# Altium PCB mb1260.PcbDoc (part 1 of 7) (continued)
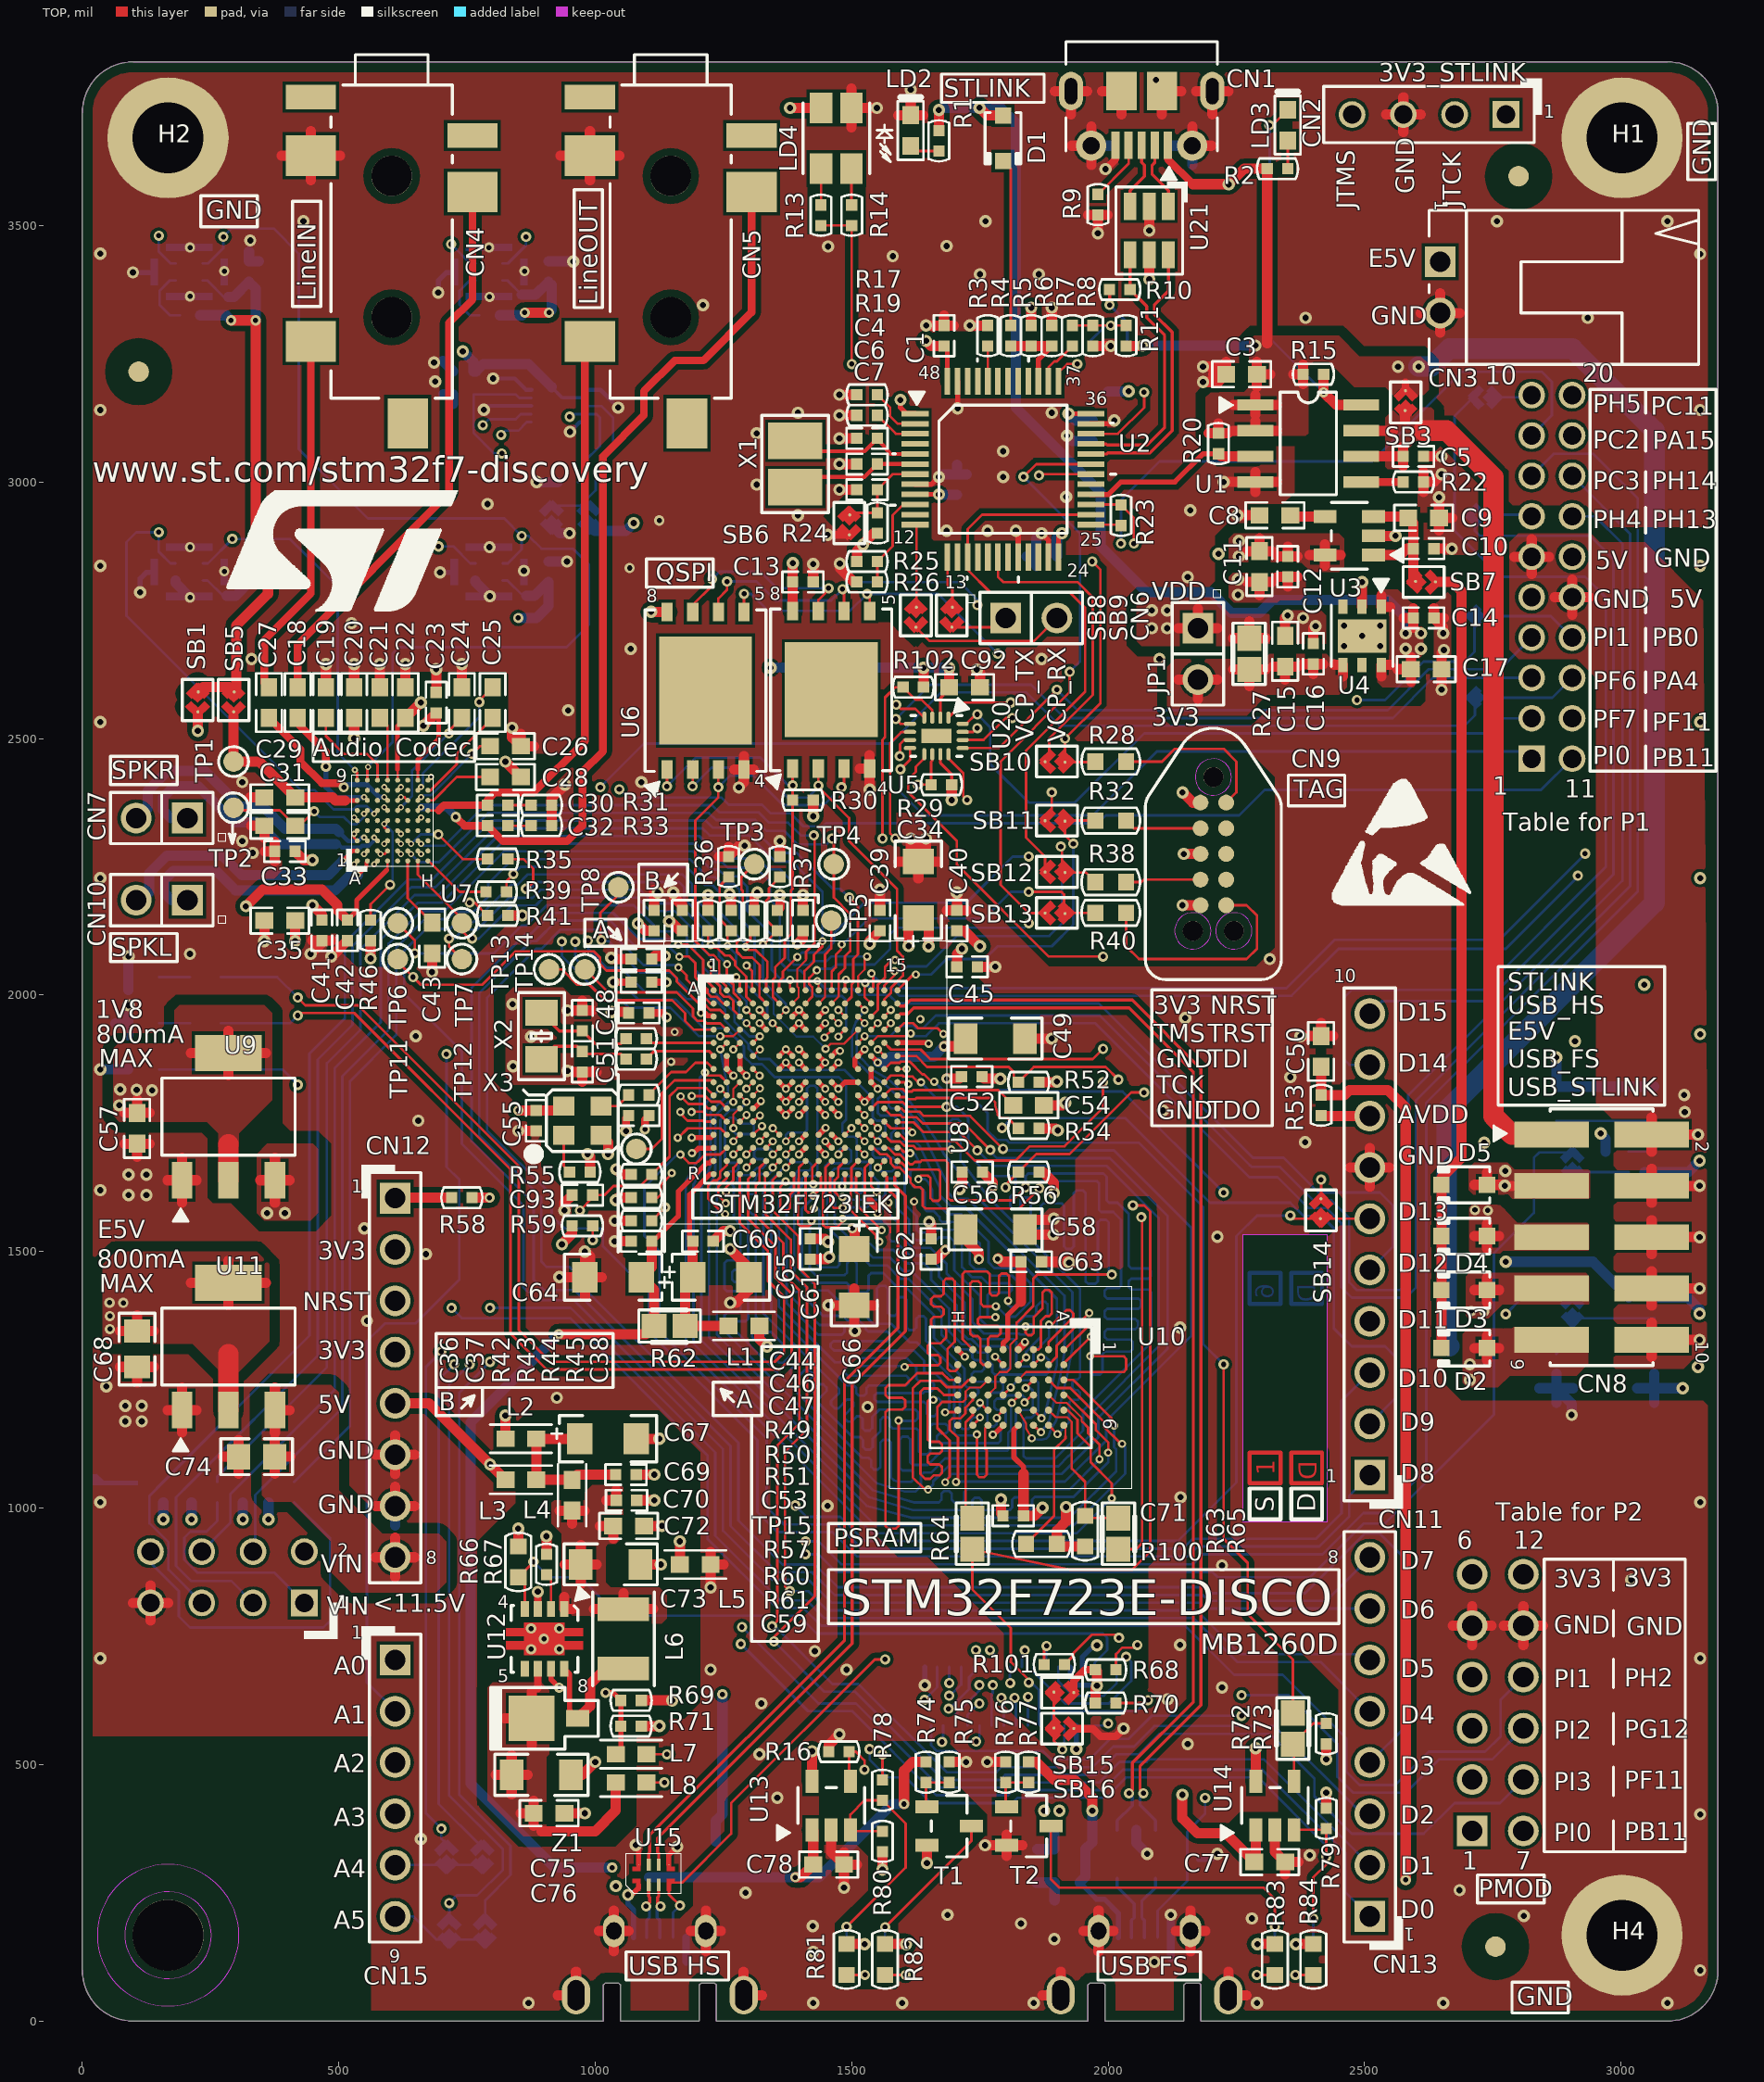
[diagram p0: TOP view]
## Classes and differential pairs
differential pair class 100ohms: SPKOUTL SPKOUTR
differential pair class 90ohms: USB_OTGFS USB_OTGFS_CN USB_OTGHS USB_OTGHS_CN USB_STLK USB_STLK_CN
net class QSPI_BK: NETR72_2
net class PSRAM_CRL: LCD_PSRAM_NOE LCD_PSRAM_NWE NETR63_1 PSRAM_NBL0 PSRAM_NBL1
net class PSRAM_ADD: PSRAM_A0 PSRAM_A1 PSRAM_A2 PSRAM_A3 PSRAM_A4 PSRAM_A5 PSRAM_A6 PSRAM_A7 PSRAM_A8 PSRAM_A9 PSRAM_A10 PSRAM_A11 PSRAM_A12 PSRAM_A13 PSRAM_A14 PSRAM_A15 PSRAM_A16 PSRAM_A17
net class LCD_PSRAM_DATA: LCD_PSRAM_D0 LCD_PSRAM_D1 LCD_PSRAM_D2 LCD_PSRAM_D3 LCD_PSRAM_D4 LCD_PSRAM_D5 LCD_PSRAM_D6 LCD_PSRAM_D7 LCD_PSRAM_D8 LCD_PSRAM_D9 LCD_PSRAM_D10 LCD_PSRAM_D11 LCD_PSRAM_D12 LCD_PSRAM_D13 LCD_PSRAM_D14 LCD_PSRAM_D15
net class DATA: NETR10_1 NETR19_2 NETR35_2 NETR39_2
component class "U_Arduino_ Connectors": C50 CN11 CN12 CN13 CN15 LD1 R12 R53 R58 SB14 SB35 SB36 SB37 SB38
component class U_AUDIO: C18 C19 C20 C21 C22 C23 C24 C25 C26 C27 C28 C29 C30 C31 C32 C33 C35 C41 C42 C43 C79 C80 C84 C85 CN4 CN5 CN7 CN10 R31 R33 R35 R39 R41 R46 R85 R86 SB1 SB5 TP1 TP2 U7 U16 U17 U18 U19
component class U_HW_Mechanical_Parts: H1 H2 H4 HW1 HW2 HW3 HW4 HW5 HW6 HW7 HW8 HW9 HW10 HW11
component class U_LCD_FRIDA: C2 C67 C69 C70 C72 C73 C75 C76 CN16 CN17 L2 L3 L4 L5 L6 L7 L8 R18 R21 R66 R67 R68 R69 R70 R71 SB2 SB4 SB15 SB16 U12 Z1 ZZ1
component class U_Peripherals: B1 B2 C86 C87 C92 CN14 LD5 LD6 P1 P2 R29 R47 R48 R89 R90 R91 R92 R93 R94 R95 R96 R97 R102 SB25 SB27 SB28 SB29 SB33 SB34 U20
component class U_PSRAM: C63 C71 R63 R64 R65 R100 U10
component class U_QSPI: C13 R30 U5 U6
component class U_ST_LINK_V2-1: C1 C3 C4 C5 C6 C7 C8 C9 C10 C11 C12 C14 C15 C16 C17 C57 C68 C74 C81 C82 C83 CN1 CN2 CN3 CN6 CN8 CN9 D1 D2 D3 D4 D5 HW12 LD2 LD3 LD4 R1 R2 R3 R4 R5 R6 R7 R8 R9 R10 R11 R13 R14 R15 R17 R19 R20 R22 R23 R24 R25 R26 R28 R32 R38 R40 SB3 SB6 SB7 SB8 SB9 SB10 SB11 SB12 SB13 T3 U1 U2 U3 U4 U9 U11 U21 X1
component class U_STM32F7: C34 C36 C37 C38 C39 C40 C44 C45 C46 C47 C48 C49 C51 C52 C53 C54 C55 C56 C58 C59 C60 C61 C62 C64 C65 C66 C93 JP1 L1 R27 R36 R37 R42 R43 R44 R45 R49 R50 R51 R52 R54 R55 R56 R57 R59 R60 R61 R62 R101 TP3 TP4 TP5 TP6 TP7 TP8 TP11 TP12 TP13 TP14 TP15 U8 X2 X3
component class U_USB_OTG_FS: C77 CN18 LD9 LD10 R72 R73 R76 R77 R79 R83 R84 R99 T2 U14 U22 U23 U24
component class U_USB_OTG_HS: C78 CN19 LD7 LD8 R16 R74 R75 R78 R80 R81 R82 R98 T1 U13 U15
differential pair USB_STLK_CN: +USB_STLK_CN_P -USB_STLK_CN_N
differential pair USB_OTGHS_CN: +USB_OTGHS_CN_P -USB_OTGHS_CN_N
differential pair USB_OTGHS: +USB_OTGHS_P -USB_OTGHS_N
differential pair USB_OTGFS_CN: +USB_OTGFS_CN_P -USB_OTGFS_CN_N
differential pair USB_OTGFS: +USB_OTGFS_P -USB_OTGFS_N
differential pair SPKOUTL: +NETCN10_1 -NETCN10_2
differential pair SPKOUTR: +NETCN7_1 -NETCN7_2
differential pair USB_STLK: +USB_STLK_P -USB_STLK_N

## Components (designator, comment, footprint, x,y, rotation, side; value= is the part's Value field where it differs from the comment)
B1 "SW-PUSH-CMS_EVQP2_BLUE" TACT_4SM_3R5X5R5 2969,1788 r270 bottom
B2 "SW-PUSH-CMS_EVQP2_BLACK" TACT_4SM_3R5X5R5 2969,1267 r270 bottom
C1 "100nF" 0402C 1680,3285 r90 top
C2 "100nF" 0402C 742.84,3215.76 r180 bottom
C3 "1uF" 0603C 2260,3210 r0 top
C4 "10pF" 0402C 1530,3085 r0 top
C5 "100nF" 0402C 2595,3050 r180 top
C6 "10pF" 0402C 1530,3035 r0 top
C7 "100nF" 0402C 1530,2985 r0 top
C8 "10nF_X7R_10%_0603" 0603C 2325,2935 r0 top
C9 "1uF" 0603C 2615,2930 r180 top
C10 "100nF" 0402C 2615,2870 r180 top
C11 "1uF" 0603C 2295,2835 r90 top
C12 "100nF" 0402C 2350,2835 r90 top
C13 "100nF" 0402C 1405,2805 r180 top
C14 "100nF" 0402C 2615,2735 r180 top
C15 "1uF" 0603C 2345,2670 r270 top
C16 "100nF" 0402C 2400,2665 r270 top
C17 "1uF" 0603C 2620,2635 r180 top
C18 "1uF" 0603C 420,2570 r90 top
C19 "4.7uF" 0603C 475,2570 r270 top
C20 "4.7uF" 0603C 530,2570 r90 top
C21 "4.7uF" 0603C 580,2570 r90 top
C22 "4.7uF" 0603C 630,2570 r90 top
C23 "100nF" 0402C 690,2570 r90 top
C24 "1uF" 0603C 740,2570 r90 top
C25 "2.2uF_X5R_10%_0603" 0603C 800,2570 r90 top
C26 "2.2uF_X5R_10%_0603" 0603C 825,2485 r0 top
C27 "1uF" 0603C 364,2570 r90 top
C28 "2.2uF_X5R_10%_0603" 0603C 825,2425 r0 top
C29 "4.7uF" 0603C 385,2385 r0 top
C30 "100nF" 0402C 810,2370 r0 top
C31 "4.7uF" 0603C 385,2330 r0 top
C32 "100nF" 0402C 810,2330 r0 top
C33 "100nF" 0402C 395,2280 r180 top
C34 "4.7uF" TAN-A 1630,2205 r270 top
C35 "1uF" 0603C 385,2145 r0 top
C36 "100nF" 0402C 1115,2145 r270 top
C37 "100nF" 0402C 1170,2145 r270 top
C38 "100nF" 0402C 1405,2145 r270 top
C39 "100nF" 0402C 1555,2145 r270 top
C40 "100nF" 0402C 1705,2145 r270 top
C41 "100nF" 0402C 467,2126 r270 top
C42 "100nF" 0402C 517,2126 r270 top
C43 "1uF" 0603C 682,2111 r90 top
C44 "100nF" 0402C 1090,2070 r0 top
C45 "100nF" 0402C 1725,2055 r180 top
C46 "100nF" 0402C 1090,2025 r0 top
C47 "100nF" 0402C 1085,1965 r0 top
C48 "4.7pF_NPO_-+0.25pF_0402" 0402C 975,1950 r270 top
C49 "2.2uF" 1206C 1780,1915 r180 top
C50 "1uF" 0603C 2415,1890 r270 top
C51 "4.7pF_NPO_-+0.25pF_0402" 0402C 975,1870 r90 top
C52 "100nF" 0402C 1734,1841 r180 top
C53 "100nF" 0402C 1085,1765 r0 top
C54 "2.2uF_X5R_10%_0603" 0603C 1845,1785 r0 top
C55 "100nF" 0402C 885,1755 r90 top
C56 "100nF" 0402C 1735,1655 r180 top
C57 "10uF" 0603C 106.8,1740 r90 top
C58 "2.2uF" 1206C 1780,1543 r180 top
C59 "100nF" 0402C 1090,1520 r0 top
C60 "100nF" 0402C 1210,1520 r180 top
C61 "100nF" 0402C 1419,1505 r90 top
C62 "100nF" 0402C 1655,1505 r90 top
C63 "100nF" 0402C 1850,1480 r180 top
C64 "1uF" TAN-A 1035,1450 r0 top
C65 "1uF" TAN-A 1245,1450 r180 top
C66 "4.7uF" TAN-A 1505,1450 r90 top
C67 "10uF_POL_10%_TANA" TAN-A 1025,1135 r180 top
C68 "10uF" 0805C 106.8,1310 r90 top
C69 "100nF" 0402C 1060,1065 r180 top
C70 "100nF" 0402C 1061,1015 r180 top
C71 "100nF" 0402C 1815,985 r0 top
C72 "10nF_X7R_10%_0603" 0603C 1065,965 r180 top
C73 "4.7uF_X7R_10%_1206" 1206C 1030,890 r180 top
C74 "10uF" 0805C 340,1100 r0 top
C75 "4.7uF_X7R_10%_1206" 1206C 895,480 r180 top
C76 "10nF_X7R_10%_0603" 0603C 910,405 r180 top
C77 "4.7uF" 0603C 2315,310 r0 top
C78 "4.7uF" 0603C 1455,305 r0 top
C79 "100nF" 0402C 908.74,3410 r90 bottom
C80 "100nF" 0402C 325,3410 r90 bottom
C81 "100nF" 0402C 1970,3100 r90 bottom
C82 "100nF" 0402C 1705,2995 r270 bottom
C83 "100nF" 0402C 1880,2855 r0 bottom
C84 "100nF" 0402C 908.74,2825 r90 bottom
C85 "100nF" 0402C 325,2825 r90 bottom
C86 "100nF" 0402C 2970,1675 r270 bottom
C87 "100nF" 0402C 3065,1390 r270 bottom
C92 "1uF" 0603C 1720,2600 r0 top
C93 "100nF" 0402C 975,1610 r0 top
CN1 "1050170001" MICRO_USB_B_105017 2065.35,3659.44 r180 top
CN2 "Header 4" HDR_1X4_2R54 2775.41,3716.23 r180 top
CN3 "WF25402-06421" HDR_1X2_2R54_RA_11R35 2647.2,3429.41 r90 top locked
CN4 "PJ3028B-3_BE_3PINS" PJ3028B 603.15,3596.61 r270 top
CN5 "PJ3028B-3_GR_3PINS" PJ3028B 1147.16,3596.61 r270 top
CN6 "JP2" SIP2 1800,2735 r0 top
CN7 "JP2" SIP2 205,2345 r180 top
CN8 "Header M Straight 5x2H TSM" TSM-105-01-S-DV 2962,1528 r270 top
CN9 "TC2050-IDC-NL" TC2050-IDC-NL 2205,2275 r270 top
CN10 "JP2" SIP2 205,2185 r180 top
CN11 "BL 1-10 G" HDR_1X10_2R54_W 2509.84,1063.94 r90 top
CN12 "BL 1-8 G" HDR_1X8_2R54_W 609.84,1603.94 r270 top
CN13 "BL 1-8 G" HDR_1X8_2R54_W 2509.84,203.94 r90 top locked
CN14 "Header F Straight 4x2H" HDR_2X4_2R54 432.99,815 r0 bottom
CN15 "BL 1-6 G" HDR_1X6_2R54_W 609.84,703.94 r270 top
CN16 "DF37NB-10DS-0.4V(51)" DF37NB-10DS-0R4V 927.74,3148.16 r270 bottom
CN17 "FH26W-29S-0.3SHW(60)" FH26-29S-0R3SHW 1808.15,633 r180 bottom
CN18 "475900001" MOLEX_47590001 2070.87,162.8 r0 bottom
CN19 "475900001" MOLEX_47590001 1125.98,162.8 r0 bottom
D1 "BAT60JFILM" SOD-323 1795,3670 r90 top
D2 "BAT60JFILM" SOD-323 2694,1312 r0 top
D3 "BAT60JFILM" SOD-323 2694,1425 r0 top
D4 "BAT60JFILM" SOD-323 2694,1530 r0 top
D5 "BAT60JFILM" SOD-323 2694,1630 r0 top
H1 "POSITION HOLE C6D3R5" HOLE_C6D3R5 3001.99,3670.59 r0 top
H2 "POSITION HOLE C6D3R5" HOLE_C6D3R5 167.34,3670.59 r0 top
H4 "POSITION HOLE C6D3R5" HOLE_C6D3R5 3001.99,167.33 r0 top
JP1 "JP2" SIP2 2175,2715 r270 top
L1 "FCM1608KF-601T03" 0603L 1290,1355 r180 top
L2 "FCM1608KF-601T03" 0603L 855,1135 r0 top
L3 "FCM1608KF-601T03" 0603L 855,1055 r0 top
L4 "FCM1608KF-601T03" 0603L 955,1025 r270 top
L5 "FCM1608KF-601T03" 0603L 1195,890 r180 top
L6 "4.7uH 1A 30%" 1210L 1055,745 r270 top
L7 "FCM1608KF-601T03" 0603L 1070,520 r180 top
L8 "FCM1608KF-601T03" 0603L 1070,465 r0 top
LD1 "LED blue" 0603D 120,1855 r180 bottom
LD2 "LED red" 0603D 1615,3685 r90 top
LD3 "LED red" 0603D 2350,3695.59 r90 top
LD4 "LD_BICOLOR_CMS" LED2_3528 1470,3670 r180 top
LD5 "LED red" 0603D 120,2035 r180 bottom
LD6 "LED green" 0603D 120,1945 r180 bottom
LD7 "LED red" 0603D 1490,120 r90 bottom
LD8 "LED green" 0603D 1565,120 r90 bottom
LD9 "LED green" 0603D 2325,120 r90 bottom
LD10 "LED red" 0603D 2400,120 r90 bottom
P1 "SQT-110-01-F-D-RA" SQT-110-01-F-D-RA 2865,2814.96 r90 bottom
P2 "SSW-106-02-F-D-RA" SSW-106-02-F-D-RA 2709.33,370.63 r90 bottom
R1 "1K" 0402R 1670,3665 r270 top
R2 "1K" 0402R 2330,3610.59 r180 top
R3 "100K_1%_0402" 0402R 1765,3285 r270 top
R4 "2K7" 0402R 1810,3285 r90 top
R5 "0" 0402R 1850,3285 r90 top
R6 "4K7_1%_0402" 0402R 1890,3285 r270 top
R7 "100" 0402R 1930,3285 r270 top
R8 "36K" 0402R 1970,3285 r90 top
R9 "100K_1%_0402" 0402R 1980,3540.59 r90 top
R10 "1K5" 0402R 2022.6,3375 r0 top
R11 "10K" 0402R 2035,3285 r90 top
R12 "680_1%_0402" 0402R 240,1855 r0 bottom
R13 "330" 0402R 1440,3520 r90 top
R14 "330" 0402R 1500,3520 r90 top
R15 "100K_1%_0402" 0402R 2400,3210 r180 top
R16 "47K_1%_0402" 0402R 1475,525 r0 top
R17 "10K" 0402R 1530,3170 r0 top
R18 "100K_1%_0402" 0402R 946.84,2999.76 r0 bottom
R19 "10K" 0402R 1530,3130 r0 top
R20 "10K" 0402R 2215,3075 r90 top
R21 "100K_1%_0402" 0402R 742.84,3170.76 r0 bottom
R22 "2K2" 0402R 2595,3000 r0 top
R23 "100" 0402R 2025,2935 r270 top
R24 "100K_1%_0402" 0402R 1550,2920 r270 top
R25 "4K7_1%_0402" 0402R 1530,2845 r0 top
R26 "4K7_1%_0402" 0402R 1530,2805 r0 top
R27 "0_5%_0603" 0603R-GS 2275,2665 r270 top
R28 "22R" R0603 2005,2455 r180 top
R29 "10K" 0402R 1675,2410 r180 top
R30 "10K" 0402R 1405,2380 r0 top
R31 "20" 0402R 895,2370 r0 top
R32 "22R" R0603 2005,2340 r180 top
R33 "20" 0402R 895,2330 r0 top
R35 "0" 0402R 810,2265 r180 top
R36 "10K" 0402R 1260,2250 r270 top
R37 "10K" 0402R 1360,2250 r270 top
R38 "22R" R0603 2005,2220 r180 top
R39 "0" 0402R 807,2201 r180 top
R40 "22R" R0603 2005,2160 r180 top
R41 "10K" 0402R 810,2155 r180 top
R42 "2K7" 0402R 1220,2145 r270 top
R43 "10K" 0402R 1265,2145 r270 top
R44 "2K7" 0402R 1310,2145 r270 top
R45 "10K" 0402R 1355,2145 r270 top
R46 "10K" 0402R 562,2126 r270 top
R47 "1K_1%_0603" 0603R 240,2035 r180 bottom
R48 "510_1%_0603" 0603R 240,1945 r180 bottom
R49 "0" 0402R 1080,1915 r0 top
R50 "0" 0402R 1080,1875 r0 top
R51 "100" 0402R 1085,1805 r0 top
R52 "2K7" 0402R 1845,1830 r180 top
R53 "0" 0402R 2415,1785 r90 top
R54 "3K" 0402R 1845,1740 r0 top
R55 "10K" 0402R 970,1655 r180 top
R56 "2K7" 0402R 1845,1655 r0 top
R57 "10K" 0402R 1090,1650 r180 top
R58 "1K" 0402R 740,1605 r0 top
R59 "2K7" 0402R 975,1550 r180 top
R60 "2K7" 0402R 1090,1605 r180 top
R61 "10K" 0402R 1090,1560 r0 top
R62 "0_5%_0603" 0603R-GS 1145,1355 r0 top
R63 "10K_1%_0603" 0603R 1955,955 r270 top
R64 "0_5%_0603" 0603R-GS 1735,950 r90 top
R65 "0_5%_0603" 0603R-GS 2020,950 r90 top
R66 "10_1%_0603" 0603R 850,895 r270 top
R67 "100K_1%_0402" 0402R 905,890 r270 top
R68 "100K_1%_0402" 0402R 1995,685 r0 top
R69 "100K_1%_0402" 0402R 1070,625 r180 top
R70 "100K_1%_0402" 0402R 1995,620 r0 top
R71 "100K_1%_0402" 0402R 1070,575 r180 top
R72 "0_5%_0603" 0603R-GS 2360,570 r270 top
R73 "47K_1%_0402" 0402R 2425,560 r270 top
R74 "47K_1%_0402" 0402R 1645,485 r90 top
R75 "100K_1%_0402" 0402R 1690,485 r90 top
R76 "10K" 0402R 1800,485 r270 top
R77 "47K_1%_0402" 0402R 1845,485 r90 top
R78 "0" 0402R 1560,450 r90 top
R79 "47K_1%_0402" 0402R 2425,395 r90 top locked
R80 "3K3" 0402R 1560,350 r90 top
R81 "620_1%_0603" 0603R 1490,120 r270 top
R82 "330_1%_0603" 0603R 1565,120 r90 top
R83 "330_1%_0603" 0603R 2325,120 r90 top
R84 "620_1%_0603" 0603R 2400,120 r90 top
R85 "10K" 0402R 793.74,3325 r0 bottom
R86 "10K" 0402R 210,3325 r0 bottom
R89 "10K" 0402R 3065,1675 r90 bottom
R90 "10K" 0402R 3015,1675 r90 bottom
R91 "10K" 0402R 3015,1390 r90 bottom
R92 "1K" 0402R 263,1031 r270 bottom
R93 "10K" 0402R 213,1031 r90 bottom
R94 "10K" 0402R 363,1031 r90 bottom
R95 "10K" 0402R 313,1031 r90 bottom
R96 "10K" 0402R 158,1031 r90 bottom
R97 "1K" 0402R 413,1031 r90 bottom
R98 "0_5%_0805" 0805R 1235,315 r90 bottom
R99 "0_5%_0603" 0603R-GS 1925,335 r180 bottom
R100 "10K_1%_0603" 0603R 1870,930 r0 top
R101 "0" 0402R 1895,695 r180 top
R102 "10K" 0402R 1620,2600 r0 top
SB1 "Solder Bridge ON" JP2_SMD 225,2575 r90 top
SB2 "Solder Bridge OFF" JP2_SMD 914.84,2930.76 r270 bottom
SB3 "Solder Bridge OFF" JP2_SMD 2580,3155 r270 top
SB4 "Solder Bridge ON" JP2_SMD 987.84,2930.76 r270 bottom
SB5 "Solder Bridge OFF" JP2_SMD 295,2575 r90 top
SB6 "Solder Bridge OFF" JP2_SMD 1495,2920 r90 top
SB7 "Solder Bridge ON" JP2_SMD 2615,2805 r180 top
SB8 "Solder Bridge ON" JP2_SMD 1625,2740 r90 top
SB9 "Solder Bridge ON" JP2_SMD 1695,2740 r90 top
SB10 "Solder Bridge ON" JP2_SMD 1900,2455 r0 top
SB11 "Solder Bridge ON" JP2_SMD 1900,2340 r0 top
SB12 "Solder Bridge ON" JP2_SMD 1900,2240 r0 top
SB13 "Solder Bridge ON" JP2_SMD 1900,2160 r0 top
SB14 "Solder Bridge ON" JP2_SMD 2415,1580 r270 top
SB15 "Solder Bridge ON" JP2_SMD 1910,640 r180 top
SB16 "Solder Bridge OFF" JP2_SMD 1910,570 r180 top
SB25 "Solder Bridge ON" JP2_SMD 2730,2935 r0 bottom
SB27 "Solder Bridge ON" JP2_SMD 2735,3165 r0 bottom
SB28 "Solder Bridge ON" JP2_SMD 2730,2580 r180 bottom
SB29 "Solder Bridge ON" JP2_SMD 2730,2739 r180 bottom
SB33 "Solder Bridge ON" JP2_SMD 2905,1670 r270 bottom
SB34 "Solder Bridge ON" JP2_SMD 2905,1385 r270 bottom
SB35 "Solder Bridge ON" JP2_SMD 780,320 r270 bottom
SB36 "Solder Bridge OFF" JP2_SMD 710,320 r270 bottom
SB37 "Solder Bridge ON" JP2_SMD 785.2,174.86 r270 bottom
SB38 "Solder Bridge OFF" JP2_SMD 715.2,174.86 r270 bottom
T1 "9013-SOT23" SOT-23 1690,380 r180 top
T2 "9013-SOT23" SOT-23 1845,380 r180 top
T3 "9013-SOT23" SOT-23 2000,3220 r90 bottom
TP1 "TP" TP_C40 295,2455 r180 top
TP2 "TP" TP_C40 295,2365 r180 top
TP3 "TP" TP_C40 1310,2255 r0 top
TP4 "TP" TP_C40 1465,2255 r0 top
TP5 "TP" TP_C40 1460,2145 r0 top
TP6 "TP" TP_C40 615,2140 r0 top
TP7 "TP" TP_C40 740,2140 r0 top
TP8 "TP" TP_C40 1045,2210 r0 top
TP11 "TP" TP_C40 615,2070 r0 top
TP12 "TP" TP_C40 740,2070 r0 top
TP13 "TP" TP_C40 910,2050 r0 top
TP14 "TP" TP_C40 980,2050 r0 top
TP15 "TP" TP_C40 1080,1700 r0 top
U1 "ST890CDR" SOIC8_1R27_4R9X6 2390,3075 r270 top
U2 "STM32F103CBT6" LQFP48_0R5_9X9 1795,3025 r0 top
U3 "LD3985M33R" SOT-23-5L 2470,2895 r90 top
U4 "LD39050PU33R" DFN6_0R95_3X3 2495,2700 r180 top
U5 "MX25L51245G (MACRONIX)" SON8_1R27_6X8 1460,2595 r0 top
U6 "MT25QL512ABB1EW9-0SIT" DFN8_1R27_6X8_TP4R6X5R3 1215,2593.3 r0 top
U7 "WM8994ECS/R" BGA72_0R5_4R5X4 605,2340 r90 top
U8 "STM32F723IEK" BGA176_0R65_10X10 1410,1830 r0 top
U9 "LD1117S18TR" SOT-223 285,1763 r270 top
U10 "IS66WV51216EBLL-55BLI" FBGA48_0R75_6X8 1810,1235 r270 top
U11 "LD1117S50TR" SOT-223 285,1315 r270 top
U12 "STLD40DPUR" SON8_0R65_3X3 901,745 r180 top
U13 "STMPS2151STR" SOT23-5 1460,420 r0 top
U14 "STMPS2141STR" SOT23-5 2325,420 r0 top
U15 "ECMF02-4CMX8" QFN8_0R5_2R5X1R2 1114,285 r0 top
U16 "IMP34DT05TR" MP34DT01TR 793.07,3409.41 r270 bottom
U17 "IMP34DT05TR" MP34DT01TR 208.46,3409.41 r270 bottom
U18 "IMP34DT05TR" MP34DT01TR 793.07,2824.8 r270 bottom
U19 "IMP34DT05TR" MP34DT01TR 208.46,2824.8 r270 bottom
U20 "STG3692QTR" QFN16_0R4_2R5X1R7 1665,2505 r180 top
U21 "USBLC6-2SC6" SOT23-6 2080,3490 r180 top
U22 "USBLC6-2SC6" SOT23-6 2055,325 r0 bottom
U23 "ESDALC6V1-1U2" D0201_21 2165,315 r180 bottom
U24 "ESDA7P60-1U1M" DO_2SM_1R6X1_21 1920,270 r0 bottom
X1 "NX3225GD-8.00M" XTAL_2SM_3R2X2R5_H1 1390,3035 r90 top
X2 "NX3215SA-32.768K" XTAL_2SM_3R2X1R5 895,1920 r270 top
X3 "NZ2520SH-25.00M" OSC_4SM_2R5X2 975,1755 r0 top
Z1 "STPS1L40M" DO-216AA 966,590 r0 top

## Footprints (in the part's own frame and the unit in brackets; to place one, negate y for a bottom-side part, rotate by r counter-clockwise, add the part's x,y. Pads: shape width x height; smd on the part's side, far side on the other; paste and mask are expansions set on the pad)
0402C [mil] "0402C"
  rect 22x22 smd: 1(-20,0) 2(20,0)
  silkscreen extent -40,-20 40,20, body extent -35,-14 35,14, height 150
0402R [mil] "0402R"
  rect 22x22 smd: 1(-20,0) 2(20,0)
  silkscreen extent -40,-20 40,20, body extent -35,-14 35,14, height 150
0603C [mil] "0603C"
  rect 35x32 smd: 1(-30,0) 2(30,0)
  TOP pour cut-out: -5,-10 5,-10 5,10 -5,10 -5,-10
  silkscreen extent -57,-25 57,25
0603D [mil] "0603D"
  rect 35x32 smd: 1(-30,0) 2(30,0)
  TOP pour cut-out: -5,-10 5,-10 5,10 -5,10 -5,-10
  silkscreen extent -57,-25 65,25, body extent -50,-20 50,20, height 150
0603L [mil] "0603L"
  rect 35x32 smd: 1(-30,0) 2(30,0)
  silkscreen extent -60,-28 60,28, body extent -50,-19 50,19, height 150
0603R [mil] "0603R"
  rect 31x32 smd: 1(-30,0) 2(30,0)
  TOP pour cut-out: -5,10 -5,-10 5,-10 5,10 -5,10
  silkscreen extent -57,-25 57,25, body extent -50,-20 50,20, height 150
0603R-GS [mil] "0603R-GS"
  rect 49x47 smd mask+2: 1(-30.51,0) 2(30.51,0)
  silkscreen extent -60,-32 60,31, body extent -55,-24 55,24, height 150
0805C [mil] "0805C"
  rect 45x50 smd: 1(-35,0) 2(35,0)
  silkscreen extent -70,-35 70,35
0805R [mil] "0805R"
  rect 40x50 smd: 1(35,0) 2(-35,0)
  silkscreen extent -70,-35 71,35, body extent -65,-25 65,25, height 150
1206C [mil] "1206C"
  rect 46x60 smd: 1(-58,0) 2(58,0)
  silkscreen extent -91,-40 91,40, body extent -81,-30 81,30, height 150
1210L [mil] "1210L"
  rect 46x100 smd: 1(-58,0) 2(58,0)
  silkscreen extent -91,-60 91,60, body extent -83,-53 83,53, height 150
BGA72_0R5_4R5X4 [mm] "BGA72_0R5_4R5X4"
  round 0.249 smd mask+0.051: A1(-2,1.75) A2(-1.5,1.75) A3(-1,1.75) A4(-0.5,1.75) A5(0,1.75) A6(0.5,1.75) A7(1,1.75) A8(1.5,1.75) A9(2,1.75) B1(-2,1.25) B2(-1.5,1.25) B3(-1,1.25) B4(-0.5,1.25) B5(0,1.25) B6(0.5,1.25) B7(1,1.25) B8(1.5,1.25) B9(2,1.25) C1(-2,0.75) C2(-1.5,0.75) C3(-1,0.75) C4(-0.5,0.75) C5(0,0.75) C6(0.5,0.75) C7(1,0.75) C8(1.5,0.75) C9(2,0.75) D1(-2,0.25) D2(-1.5,0.25) D3(-1,0.25) D4(-0.5,0.25) D5(0,0.25) D6(0.5,0.25) D7(1,0.25) D8(1.5,0.25) D9(2,0.25) E1(-2,-0.25) E2(-1.5,-0.25) E3(-1,-0.25) E4(-0.5,-0.25) E5(0,-0.25) E6(0.5,-0.25) E7(1,-0.25) E8(1.5,-0.25) E9(2,-0.25) F1(-2,-0.75) F2(-1.5,-0.75) F3(-1,-0.75) F4(-0.5,-0.75) F5(0,-0.75) F6(0.5,-0.75) F7(1,-0.75) F8(1.5,-0.75) F9(2,-0.75) G1(-2,-1.25) G2(-1.5,-1.25) G3(-1,-1.25) G4(-0.5,-1.25) G5(0,-1.25) G6(0.5,-1.25) G7(1,-1.25) G8(1.5,-1.25) G9(2,-1.25) H1(-2,-1.75) H2(-1.5,-1.75) H3(-1,-1.75) H4(-0.5,-1.75) H5(0,-1.75) H6(0.5,-1.75) H7(1,-1.75) H8(1.5,-1.75) H9(2,-1.75)
  silkscreen extent -2.54,-2.01 2.26,2.29, body extent -2.26,-2.01 2.26,2.01, height 3.81
BGA176_0R65_10X10 [mil] "BGA176_0R65_10X10"
  round 12 smd mask+2: A1(-179.13,179.13) A2(-153.54,179.13) A3(-127.95,179.13) A4(-102.36,179.13) A5(-76.77,179.13) A6(-51.18,179.13) A7(-25.59,179.13) A8(0,179.13) A9(25.59,179.13) A10(51.18,179.13) A11(76.77,179.13) A12(102.36,179.13) A13(127.95,179.13) A14(153.54,179.13) A15(179.13,179.13) B1(-179.13,153.54) B2(-153.54,153.54) B3(-127.95,153.54) B4(-102.36,153.54) B5(-76.77,153.54) B6(-51.18,153.54) B7(-25.59,153.54) B8(0,153.54) B9(25.59,153.54) B10(51.18,153.54) B11(76.77,153.54) B12(102.36,153.54) B13(127.95,153.54) B14(153.54,153.54) B15(179.13,153.54) C1(-179.13,127.95) C2(-153.54,127.95) C3(-127.95,127.95) C4(-102.36,127.95) C5(-76.77,127.95) C6(-51.18,127.95) C7(-25.59,127.95) C8(0,127.95) C9(25.59,127.95) C10(51.18,127.95) C11(76.77,127.95) C12(102.36,127.95) C13(127.95,127.95) C14(153.54,127.95) C15(179.13,127.95) D1(-179.13,102.36) D2(-153.54,102.36) D3(-127.95,102.36) D4(-102.36,102.36) D5(-76.77,102.36) D6(-51.18,102.36) D7(-25.59,102.36) D8(0,102.36) D9(25.59,102.36) D10(51.18,102.36) D11(76.77,102.36) D12(102.36,102.36) D13(127.95,102.36) D14(153.54,102.36) D15(179.13,102.36) E1(-179.13,76.77) E2(-153.54,76.77) E3(-127.95,76.77) E4(-102.36,76.77) E12(102.36,76.77) E13(127.95,76.77) E14(153.54,76.77) E15(179.13,76.77) F1(-179.13,51.18) F2(-153.54,51.18) F3(-127.95,51.18) F4(-102.36,51.18) F6(-51.18,51.18) F7(-25.59,51.18) F8(0,51.18) F9(25.59,51.18) F10(51.18,51.18) F12(102.36,51.18) F13(127.95,51.18) F14(153.54,51.18) F15(179.13,51.18) G1(-179.13,25.59) G2(-153.54,25.59) G3(-127.95,25.59) G4(-102.36,25.59) G6(-51.18,25.59) G7(-25.59,25.59) G8(0,25.59) G9(25.59,25.59) G10(51.18,25.59) G12(102.36,25.59) G13(127.95,25.59) G14(153.54,25.59) G15(179.13,25.59) H1(-179.13,0) H2(-153.54,0) H3(-127.95,0) H4(-102.36,0) H6(-51.18,0) H7(-25.59,0) H8(0,0) H9(25.59,0) H10(51.18,0) H12(102.36,0) H13(127.95,0) H14(153.54,0) H15(179.13,0) J1(-179.13,-25.59) J2(-153.54,-25.59) J3(-127.95,-25.59) J4(-102.36,-25.59) J6(-51.18,-25.59) J7(-25.59,-25.59) J8(0,-25.59) J9(25.59,-25.59) J10(51.18,-25.59) J12(102.36,-25.59) J13(127.95,-25.59) J14(153.54,-25.59) J15(179.13,-25.59) K1(-179.13,-51.18) K2(-153.54,-51.18) K3(-127.95,-51.18) K4(-102.36,-51.18) K6(-51.18,-51.18) K7(-25.59,-51.18) K8(0,-51.18) K9(25.59,-51.18) K10(51.18,-51.18) K12(102.36,-51.18) K13(127.95,-51.18) K14(153.54,-51.18) K15(179.13,-51.18) L1(-179.13,-76.77) L2(-153.54,-76.77) L3(-127.95,-76.77) L4(-102.36,-76.77) L12(102.36,-76.77) L13(127.95,-76.77) L14(153.54,-76.77) L15(179.13,-76.77) M1(-179.13,-102.36) M2(-153.54,-102.36) M3(-127.95,-102.36) M4(-102.36,-102.36) M5(-76.77,-102.36) M6(-51.18,-102.36) M7(-25.59,-102.36) M8(0,-102.36) M9(25.59,-102.36) M10(51.18,-102.36) M11(76.77,-102.36) M12(102.36,-102.36) M13(127.95,-102.36) M14(153.54,-102.36) M15(179.13,-102.36) N1(-179.13,-127.95) N2(-153.54,-127.95) N3(-127.95,-127.95) N4(-102.36,-127.95) N5(-76.77,-127.95) N6(-51.18,-127.95) N7(-25.59,-127.95) N8(0,-127.95) N9(25.59,-127.95) N10(51.18,-127.95) N11(76.77,-127.95) N12(102.36,-127.95) N13(127.95,-127.95) N14(153.54,-127.95) N15(179.13,-127.95) P1(-179.13,-153.54) P2(-153.54,-153.54) P3(-127.95,-153.54) P4(-102.36,-153.54) P5(-76.77,-153.54) P6(-51.18,-153.54) P7(-25.59,-153.54) P8(0,-153.54) P9(25.59,-153.54) P10(51.18,-153.54) P11(76.77,-153.54) P12(102.36,-153.54) P13(127.95,-153.54) P14(153.54,-153.54) P15(179.13,-153.54) R1(-179.13,-179.13) R2(-153.54,-179.13) R3(-127.95,-179.13) R4(-102.36,-179.13) R5(-76.77,-179.13) R6(-51.18,-179.13) R7(-25.59,-179.13) R8(0,-179.13) R9(25.59,-179.13) R10(51.18,-179.13) R11(76.77,-179.13) R12(102.36,-179.13) R13(127.95,-179.13) R14(153.54,-179.13) R15(179.13,-179.13)
  silkscreen extent -276,-276 276,276
D0201_21 [mil] "D0201_21"
  rect 12x12 smd: 1(11.02,0) 2(-11.02,0)
  silkscreen extent -9,-25 7,-15, body extent -18,-9 19,9, height 150
DF37NB-10DS-0R4V [mil] "DF37NB-10DS-0R4V"
  rect 8x27 smd mask+2: 1(-31.5,52.17) 2(-15.75,52.17) 3(0,52.17) 4(15.75,52.17) 5(31.5,52.17) 6(31.5,-52.17) 7(15.75,-52.17) 8(0,-52.17) 9(-15.75,-52.17) 10(-31.5,-52.17)
  rect 16x43 smd: 11(80.31,0) 12(-80.31,0)
  silkscreen extent -95,-46 83,84, body extent -90,-70 91,70, height 150
DFN6_0R95_3X3 [mil] "DFN6_0R95_3X3"
  rect 18x28 smd mask+2: 1(-37.4,-56.52) 2(0,-56.52) 3(37.4,-56.52) 4(37.4,56.52) 5(0,56.52) 6(-37.4,56.52)
  rect 95x65 smd mask+2: 7(0,0)
  silkscreen extent -60,-110 60,60, body extent -59,-72 59,72, height 150
DFN8_1R27_6X8_TP4R6X5R3 [mil] "DFN8_1R27_6X8_TP4R6X5R3"
  rect 22x36 smd: 1(-75,-153.54) 2(-25,-153.54) 3(25,-153.54) 4(75,-153.54) 5(75,153.54) 6(25,153.54) 7(-25,153.54) 8(-75,153.54)
  rect 180x210 smd: 9(0,0)
  silkscreen extent -119,-206 118,157, body extent -120,-175 119,174, height 150
DO-216AA [mil] "DO-216AA"
  rect 45x32 smd: 1(0,0)
  rect 90x89 smd: 2(-90,0)
  silkscreen extent -170,-60 40,60, body extent -165,-55 35,55, height 150
DO_2SM_1R6X1_21 [mil] "DO_2SM_1R6X1_21"
  rect 22x31 smd: 1(24.61,0) 2(-24.61,0)
  silkscreen extent -50,-30 55,70, body extent -39,-19 39,20, height 150
FBGA48_0R75_6X8 [mil] "FBGA48_0R75_6X8"
  round 14 smd mask+2: A1(-73.82,103.35) A2(-44.29,103.35) A3(-14.76,103.35) A4(14.76,103.35) A5(44.29,103.35) A6(73.82,103.35) B1(-73.82,73.82) B2(-44.29,73.82) B3(-14.76,73.82) B4(14.76,73.82) B5(44.29,73.82) B6(73.82,73.82) C1(-73.82,44.29) C2(-44.29,44.29) C3(-14.76,44.29) C4(14.76,44.29) C5(44.29,44.29) C6(73.82,44.29) D1(-73.82,14.76) D2(-44.29,14.76) D3(-14.76,14.76) D4(14.76,14.76) D5(44.29,14.76) D6(73.82,14.76) E1(-73.82,-14.76) E2(-44.29,-14.76) E3(-14.76,-14.76) E4(14.76,-14.76) E5(44.29,-14.76) E6(73.82,-14.76) F1(-73.82,-44.29) F2(-44.29,-44.29) F3(-14.76,-44.29) F4(14.76,-44.29) F5(44.29,-44.29) F6(73.82,-44.29) G1(-73.82,-73.82) G2(-44.29,-73.82) G3(-14.76,-73.82) G4(14.76,-73.82) G5(44.29,-73.82) G6(73.82,-73.82) H1(-73.82,-103.35) H2(-44.29,-103.35) H3(-14.76,-103.35) H4(14.76,-103.35) H5(44.29,-103.35) H6(73.82,-103.35)
  silkscreen extent -197,-236 197,236, body extent -120,-160 120,160, height 150
FH26-29S-0R3SHW [mil] "FH26-29S-0R3SHW"
  rect 12x32 smd: 1(165.35,57.09) 3(141.73,57.09) 5(118.11,57.09) 7(94.49,57.09) 9(70.87,57.09) 11(47.24,57.09) 13(23.62,57.09) 15(0,57.09) 17(-23.62,57.09) 19(-47.24,57.09) 21(-70.87,57.09) 23(-94.49,57.09) 25(-118.11,57.09) 27(-141.73,57.09) 29(-165.35,57.09)
  rect 11x32 smd mask+3: 2(153.54,-57.09) 4(129.92,-57.09) 6(106.3,-57.09) 8(82.68,-57.09) 10(59.06,-57.09) 12(35.43,-57.09) 14(11.81,-57.09) 16(-11.81,-57.09) 18(-35.43,-57.09) 20(-59.06,-57.09) 22(-82.68,-57.09) 24(-106.3,-57.09) 26(-129.92,-57.09) 28(-153.54,-57.09)
  rect 16x37 smd: " "(-192.91,47.24) " "(192.91,47.24)
  silkscreen extent -205,-67 204,117, body extent -202,-78 205,73, height 150
HDR_1X2_2R54_RA_11R35 [mil] "HDR_1X2_2R54_RA_11R35"
  rect 60x60 / inner round 60 / far side rect 60x60 hole 40: 1(0,0)
  round 60 hole 40: 2(-100,0)
  silkscreen extent -200,-504 100,22, body extent -200,-505 100,30, height 150
HDR_1X4_2R54 [mil] "HDR_1X4_2R54"
  rect 52x52 hole 36: 1(0,0)
  round 52 hole 36: 2(100,0) 3(200,0) 4(300,0)
  silkscreen extent -70,-70 355,55, body extent -138,-138 438,138, height 150
HDR_1X6_2R54_W [mil] "HDR_1X6_2R54_W"
  rect 60x60 / inner round 60 / far side rect 60x60 hole 40: 1(0,0)
  round 60 hole 40: 2(100,0) 3(200,0) 4(300,0) 5(400,0) 6(500,0)
  silkscreen extent -65,-65 550,50, body extent -50,-50 550,50, height 150
HDR_1X8_2R54_W [mil] "HDR_1X8_2R54_W"
  rect 60x60 / inner round 60 / far side rect 60x60 hole 40: 1(0,0)
  round 60 hole 40: 2(100,0) 3(200,0) 4(300,0) 5(400,0) 6(500,0) 7(600,0) 8(700,0)
  silkscreen extent -65,-65 750,50, body extent -50,-50 750,50, height 150
HDR_1X10_2R54_W [mil] "HDR_1X10_2R54_W"
  rect 60x60 / inner round 60 / far side rect 60x60 hole 40: 1(0,0)
  round 60 hole 40: 2(100,0) 3(200,0) 4(300,0) 5(400,0) 6(500,0) 7(600,0) 8(700,0) 9(800,0) 10(900,0)
  silkscreen extent -65,-65 950,50, body extent -50,-50 950,50, height 150
HDR_2X4_2R54 [mil] "HDR_2X4_2R54"
  rect 52x52 hole 36: 1(0,0)
  round 52 hole 36: 2(0,-100) 3(-100,0) 4(-100,-100) 5(-200,0) 6(-200,-100) 7(-300,0) 8(-300,-100)
  silkscreen extent -350,-155 65,70, body extent -457,-257 122,157, height 150
HOLE_C6D3R5 [mil] "HOLE_C6D3R5"
  round 236 hole 138: 1(0,0)
  body extent -123,-123 123,123, height 150
JP2_SMD [mil] "JP2_SMD"
  round 6 smd: 1(-23.01,-0.33) 2(15.83,-1.19)
  TOP region: 12.7,22.91 33.91,1.7 32.21,0 33.91,-1.7 12.7,-22.91 2.09,-12.3 4.5,-9.89 -5.39,0 4.5,9.89 2.09,12.3 12.7,22.91
  TOP region: -34.18,2.96 -12.96,24.18 -1.82,13.04 -15.13,-0.26 -2.09,-13.3 -12.7,-23.91 -33.91,-2.7 -31.22,0 -34.18,2.96
  silkscreen extent -40,-30 40,30, body extent -35,-24 35,24, height 150
LED2_3528 [mil] "LED2_3528"
  rect 44x59 smd: 1(-29.53,-59.06) 2(-29.53,59.06) 3(29.53,59.06) 4(29.53,-59.06)
  silkscreen extent -109,-70 65,69, body extent -55,-90 55,90, height 150
LQFP48_0R5_9X9 [mil] "LQFP48_0R5_9X9"
  rect 53x11 smd mask+2: 1(-171.26,108.27) 2(-171.26,88.58) 3(-171.26,68.9) 4(-171.26,49.21) 5(-171.26,29.53) 6(-171.26,9.84) 7(-171.26,-9.84) 8(-171.26,-29.53) 9(-171.26,-49.21) 10(-171.26,-68.9) 11(-171.26,-88.58) 12(-171.26,-108.27) 25(171.26,-108.27) 26(171.26,-88.58) 27(171.26,-68.9) 28(171.26,-49.21) 29(171.26,-29.53) 30(171.26,-9.84) 31(171.26,9.84) 32(171.26,29.53) 33(171.26,49.21) 34(171.26,68.9) 35(171.26,88.58) 36(171.26,108.27)
  rect 11x53 smd mask+2: 13(-108.27,-171.26) 14(-88.58,-171.26) 15(-68.9,-171.26) 16(-49.21,-171.26) 17(-29.53,-171.26) 18(-9.84,-171.26) 19(9.84,-171.26) 20(29.53,-171.26) 21(49.21,-171.26) 22(68.9,-171.26) 23(88.58,-171.26) 24(108.27,-171.26) 37(108.27,171.26) 38(88.58,171.26) 39(68.9,171.26) 40(49.21,171.26) 41(29.53,171.26) 42(9.84,171.26) 43(-9.84,171.26) 44(-29.53,171.26) 45(-49.21,171.26) 46(-68.9,171.26) 47(-88.58,171.26) 48(-108.27,171.26)
  silkscreen extent -220,-220 220,220
MICRO_USB_B_105017 [mil] "MICRO_USB_B_105017"
  rect 16x53 smd: 1(-51.18,2.95) 2(-25.59,2.95) 3(0,2.95) 4(25.59,2.95) 5(51.18,2.95)
  oval 47x75 hole 24 slot 51 at 90 deg: 6(-137.8,-102.36) 7(137.8,-102.36)
  round 59 hole 33: 8(-98.43,3.94) 9(98.43,3.94)
  rect 59x75 smd: 10(-39.37,-102.36) 11(39.37,-102.36)
  Keep-Out Layer lines w1: 220.47,-159.45 -173.23,-159.45
  silkscreen extent -148,-199 148,70, body extent -165,-200 165,35, height 150
MOLEX_47590001 [mil] "MOLEX_47590001"
  rect 16x53 smd: 1(-51.18,0) 2(-25.59,0) 3(0,0) 4(25.59,0) 5(51.18,0)
  oval 42x63 hole 30 slot 33 at 90 deg mask+2: 6(-89.57,-12.8) 7(89.57,-12.8)
  oval 55x75 hole 33 slot 59 at 90 deg: 8(163.39,112.4) 9(-163.39,112.4)
  rect 114x79 smd: 10(0,105.31)
  Keep-Out Layer lines w1: -235,162.8 -110.24,162.8 -110.24,92.52 -106.3,88.58 -80.71,88.58 -76.77,92.52 -76.77,162.8 76.77,162.8 76.77,92.52 80.71,88.58 106.3,88.58 110.24,92.52 110.24,162.8 380,162.8
  silkscreen extent -161,-61 161,216, body extent -190,-45 190,215, height 150
MP34DT01TR [mil] "MP34DT01TR"
  rect 20x42 smd: 1(16.73,-26.57) 2(16.73,26.57) 3(-16.73,26.57) 4(-16.73,-26.57)
  round 6 smd: 5(1,69)
  TOP region: 25.59,61.11 25.59,74.89 -25.59,74.89 -25.59,61.11 25.59,61.11
  TOP region: 54.89,-45.28 54.89,45.28 41.11,45.28 41.11,-45.28 54.89,-45.28
  TOP region: -41.11,-45.28 -41.11,45.28 -54.89,45.28 -54.89,-45.28 -41.11,-45.28
  TOP region: 25.59,-74.89 25.59,-61.11 -25.59,-61.11 -25.59,-74.89 25.59,-74.89
  silkscreen extent -60,-90 70,80, body extent -59,-79 58,79, height 150
OSC_4SM_2R5X2 [mil] "OSC_4SM_2R5X2"
  rect 41x37 smd: 1(-36.42,-28.54) 2(36.42,-28.54) 3(36.42,28.54) 4(-36.42,28.54)
  silkscreen extent -105,-75 70,60, body extent -60,-50 60,50, height 150
PJ3028B [mil] "PJ3028B"
  rect 48x98 smd: 2(-153.54,-157.48) 7(-78.74,157.48)
  rect 79x98 smd: 3(-39.37,-157.48) 4(31.5,157.48) 6(322.83,-157.48)
  rect 98x79 smd: 5(482.28,31.5)
  round 79 hole 79 unplated: " "(0,0) " "(275.59,0)
  silkscreen extent -236,-118 433,118, body extent -235,-210 532,210, height 150
QFN8_0R5_2R5X1R2 [mil] "QFN8_0R5_2R5X1R2"
  oct 1x1 smd mask+2: 1(-29.53,-19.69) 4(29.53,-19.69) 5(29.53,19.69) 8(-29.53,19.69)
  rect 8x24 smd mask+2: 2(-9.84,-19.69) 3(9.84,-19.69) 6(9.84,19.69) 7(-9.84,19.69)
  silkscreen extent -54,-36 54,42, body extent -48,-36 48,36, height 150
QFN16_0R4_2R5X1R7 [mil] "QFN16_0R4_2R5X1R7"
  oval 8x24 smd mask+2: 1(-23.62,-35.62) 2(-7.87,-35.62) 3(7.87,-35.62) 4(23.62,-35.62) 9(23.62,35.62) 10(7.87,35.62) 11(-7.87,35.62) 12(-23.62,35.62)
  oval 24x8 smd mask+2: 5(51.37,-23.62) 6(51.37,-7.87) 7(51.37,7.87) 8(51.37,23.62) 13(-51.37,23.62) 14(-51.37,7.87) 15(-51.37,-7.87) 16(-51.37,-23.62)
  rect 59x28 smd mask+2: 17(0,0)
  silkscreen extent -63,-74 50,40, body extent -65,-50 65,50, height 150
R0603 [mil] "R0603"
  rect 31x32 smd: 1(-30,0) 2(30,0)
  TOP pour cut-out: -5,10 -5,-10 5,-10 5,10 -5,10
  silkscreen extent -57,-25 57,25, body extent -50,-20 50,20, height 150
SIP2 [mil] "SIP2"
  rect 60x60 / inner round 60 / far side rect 60x60 hole 40: 1(0,0)
  round 60 hole 40: 2(100,0)
  silkscreen extent -75,-50 150,50
SOD-323 [mil] "SOD-323"
  rect 32x32 smd: 1(44.29,0) 2(-44.29,0)
  silkscreen extent -50,-35 50,35, body extent -65,-27 65,25, height 150
SOIC8_1R27_4R9X6 [mil] "SOIC8_1R27_4R9X6"
  rect 22x70 smd: 1(-75,-103.3) 2(-25,-103.3) 3(25,-103.3) 4(75,-103.3) 5(75,103.3) 6(25,103.3) 7(-25,103.3) 8(-75,103.3)
  silkscreen extent -100,-173 100,55
SON8_0R65_3X3 [mil] "SON8_0R65_3X3"
  rect 16x31 smd: 1(-38.39,-58.07) 2(-12.8,-58.07) 3(12.8,-58.07) 4(38.39,-58.07) 5(38.39,58.07) 6(12.8,58.07) 7(-12.8,58.07) 8(-38.39,58.07)
  oct 1x1 smd: 9(0,0)
  silkscreen extent -88,-102 65,65, body extent -78,-78 78,78, height 150
SON8_1R27_6X8 [mil] "SON8_1R27_6X8"
  rect 22x36 smd: 1(-75,-153.54) 2(-25,-153.54) 3(25,-153.54) 4(75,-153.54) 5(75,153.54) 6(25,153.54) 7(-25,153.54) 8(-75,153.54)
  rect 181x185 smd: 9(0,0)
  silkscreen extent -127,-194 118,157, body extent -120,-175 119,174, height 150
SOT23-5 [mil] "SOT23-5"
  rect 25x45 smd: 1(-37.4,-47.24) 2(0,-47.24) 3(37.4,-47.24) 4(37.4,47.24) 5(-37.4,47.24)
  silkscreen extent -106,-68 65,35, body extent -57,-70 57,70, height 150
SOT23-6 [mil] "SOT23-6"
  rect 25x53 smd: 1(-37.4,-47.24) 2(0,-47.24) 3(37.4,-47.24) 4(37.4,47.24) 5(0,47.24) 6(-37.4,47.24)
  silkscreen extent -75,-95 65,85, body extent -57,-75 57,75, height 150
SOT-23 [mil] "SOT-23"
  rect 45x25 smd: 1(43.31,-37.4) 2(43.31,37.4) 3(-43.31,0)
  silkscreen extent -35,-60 35,60, body extent -70,-60 70,60, height 150
SOT-23-5L [mil] "SOT-23-5L"
  rect 25x45 smd: 1(-37.4,-47.24) 2(0,-47.24) 3(37.4,-47.24) 4(37.4,47.24) 5(-37.4,47.24)
  silkscreen extent -65,-106 65,35, body extent -57,-70 57,70, height 150
SOT-223 [mil] "SOT-223"
  rect 71x40 smd: 1(124.02,-90.55) 2(124.02,0) 3(124.02,90.55)
  rect 71x130 smd: 4(-124.02,0)
  silkscreen extent -75,-130 204,130, body extent -160,-128 160,128, height 150

## Text inside footprints (layer, text, board x,y; h text height)
U21: LIB_UNEVALUATED "1" at 2111,3537.24 h16 r180; LIB_UNEVALUATED "3" at 2036.2,3537.24 h16 r180; LIB_UNEVALUATED "5" at 2073.6,3442.76 h16 r180; LIB_UNEVALUATED "6" at 2111,3442.76 h16 r180; LIB_UNEVALUATED "4" at 2036.2,3442.76 h16 r180; LIB_UNEVALUATED "2" at 2073.6,3537.24 h16 r180; LIB_UNEVALUATED "Creat : Jacky" at 2180,3260 h25 r180; LIB_UNEVALUATED "Sofer Lib Information" at 2210,3170 h25 r180; LIB_UNEVALUATED "Ref PN: RT9293BGJ6" at 2180,3220 h25 r180; LIB_UNEVALUATED "Date  : 2009-09-28" at 2180,3300 h25 r180; LIB_UNEVALUATED "Rev   : B2" at 2180,3340 h25 r180; LIB_UNEVALUATED "Remark: update pin size by Jacky" at 2180,3380 h25 r180; LIB_UNEVALUATED "Approved" at 1968,3490 h35 r180; LIB_UNEVALUATED "SOT23-6" at 2001,3715 h30 r180; LIB_UNEVALUATED "0.95" at 2049,3613 h16 r180; LIB_UNEVALUATED "1.524" at 1965,3503 h16 r180; LIB_UNEVALUATED "3.048" at 1890,3503 h16 r180; LIB_UNEVALUATED "2.794" at 2115,3648 h16 r180
U22: LIB_UNEVALUATED "2.794" at 2020,483 h16 r180; LIB_UNEVALUATED "3.048" at 2245,338 h16 r180; LIB_UNEVALUATED "1.524" at 2170,338 h16 r180; LIB_UNEVALUATED "0.95" at 2086,448 h16 r180; LIB_UNEVALUATED "SOT23-6" at 2134,550 h30 r180; LIB_UNEVALUATED "Approved" at 2167,325 h35 r180; LIB_UNEVALUATED "Remark: update pin size by Jacky" at 1955,215 h25 r180; LIB_UNEVALUATED "Rev   : B2" at 1955,175 h25 r180; LIB_UNEVALUATED "Date  : 2009-09-28" at 1955,135 h25 r180; LIB_UNEVALUATED "Ref PN: RT9293BGJ6" at 1955,55 h25 r180; LIB_UNEVALUATED "Sofer Lib Information" at 1925,5 h25 r180; LIB_UNEVALUATED "Creat : Jacky" at 1955,95 h25 r180; LIB_UNEVALUATED "2" at 2061.4,372.24 h16 r180; LIB_UNEVALUATED "4" at 2098.8,277.76 h16 r180; LIB_UNEVALUATED "6" at 2024,277.76 h16 r180; LIB_UNEVALUATED "5" at 2061.4,277.76 h16 r180; LIB_UNEVALUATED "3" at 2098.8,372.24 h16 r180; LIB_UNEVALUATED "1" at 2024,372.24 h16 r180
U23: LIB_UNEVALUATED "NO" at 2137,315 h35 r180; LIB_UNEVALUATED "Remark: D208-006A1" at 2006,261 h25 r180; LIB_UNEVALUATED "Rev   : A1" at 2006,221 h25 r180; LIB_UNEVALUATED "Date  : 2016-09-27" at 2006,181 h25 r180; LIB_UNEVALUATED "Creat : Ziv" at 2006,141 h25 r180; LIB_UNEVALUATED "Ref PN: DSR01S30SL,L3F" at 2006,101 h25 r180; LIB_UNEVALUATED "Sofer Lib Information" at 1976,51 h25 r180; LIB_UNEVALUATED "D0201" at 2106,386 h30 r180; LIB_UNEVALUATED "2" at 2169.62,324 h16 r180; LIB_UNEVALUATED "1" at 2147.58,324 h16 r180
U24: LIB_UNEVALUATED "1" at 2026,262 h16; LIB_UNEVALUATED "1.6" at 2008,202 h16; LIB_UNEVALUATED "NO" at 1887,254 h35; LIB_UNEVALUATED "DO_2SM_1R6X1_21" at 1720,155 h30; LIB_UNEVALUATED "Remark: D031-022A4" at 2081,392 h25; LIB_UNEVALUATED "Rev   : A1" at 2081,432 h25; LIB_UNEVALUATED "Date  : 2016-12-22" at 2081,472 h25; LIB_UNEVALUATED "Creat : Amanda" at 2081,512 h25; LIB_UNEVALUATED "Ref PN: ESDA7P60-1U1M" at 2081,552 h25; LIB_UNEVALUATED "Sofer Lib Information" at 2111,602 h25; LIB_UNEVALUATED "2" at 1888.52,265 h16; LIB_UNEVALUATED "1" at 1938.68,265 h16
X1: LIB_UNEVALUATED "2.5" at 1398,3142 h16 r90; LIB_UNEVALUATED "3.2" at 1303,3012 h16 r90; LIB_UNEVALUATED "OK" at 1362,3035 h35 r90; LIB_UNEVALUATED "Remark: D054-055A2" at 1243,2839 h25 r90; LIB_UNEVALUATED "Rev   : A1" at 1203,2839 h25 r90; LIB_UNEVALUATED "Date  : 2015-01-07" at 1163,2839 h25 r90; LIB_UNEVALUATED "Creat : Ziv" at 1123,2839 h25 r90; LIB_UNEVALUATED "Ref PN: NX3225GD-8MHZ-STD-CRA-3" at 1083,2839 h25 r90; LIB_UNEVALUATED "Sofer Lib Information" at 1033,2809 h25 r90; LIB_UNEVALUATED "XTAL_2SM_3R2X2R5_H1" at 1282,3050 h30 r90; LIB_UNEVALUATED "1" at 1383.6,2989.72 h16 r90; LIB_UNEVALUATED "2" at 1383.6,3080.28 h16 r90
X2: LIB_UNEVALUATED "OK" at 850.33,1910 h35 r270; LIB_UNEVALUATED "Remark: 32.768KHz" at 995,2045 h25 r270; LIB_UNEVALUATED "Rev   : A1" at 1035,2045 h25 r270; LIB_UNEVALUATED "Date  : 2008-04-02" at 1075,2045 h25 r270; LIB_UNEVALUATED "Creat : Yuki" at 1115,2045 h25 r270; LIB_UNEVALUATED "Ref PN: FC-135" at 1155,2045 h25 r270; LIB_UNEVALUATED "Sofer Lib Information" at 1205,2075 h25 r270; LIB_UNEVALUATED "XTAL_2SM_3R2X1R5" at 603,1875 h30 r270; LIB_UNEVALUATED "1" at 888.6,1965.28 h16 r270; LIB_UNEVALUATED "2" at 888.6,1874.72 h16 r270
X3: LIB_UNEVALUATED "2" at 1094,1752 h16; LIB_UNEVALUATED "2.5" at 957,1667 h16; LIB_UNEVALUATED "1.45" at 831,1842 h16; LIB_UNEVALUATED "1.85" at 1046,1842 h16; LIB_UNEVALUATED "Remark: ***" at 794,1907 h25; LIB_UNEVALUATED "Rev   : B2" at 794,1947 h25; LIB_UNEVALUATED "Date  : 2009-05-26" at 794,1987 h25; LIB_UNEVALUATED "Creat : Sofer Tech" at 794,2027 h25; LIB_UNEVALUATED "Ref PN: ***" at 794,2067 h25; LIB_UNEVALUATED "Sofer Lib Information" at 764,2117 h25; LIB_UNEVALUATED "Approved" at 863,1755 h35; LIB_UNEVALUATED "OSC_4SM_2R5X2" at 819,1605 h30; LIB_UNEVALUATED "2" at 1005.02,1726.46 h16; LIB_UNEVALUATED "3" at 1005.02,1783.54 h16; LIB_UNEVALUATED "4" at 932.18,1783.54 h16; LIB_UNEVALUATED "1" at 932.18,1726.46 h16; ASSEMBLY_TOP "NZ2520SB-25.00M" at 795,1600 h30
Z1: LIB_UNEVALUATED "Remark: ***" at 760,692 h25; LIB_UNEVALUATED "Rev   : B1" at 760,732 h25; LIB_UNEVALUATED "Date  : 2007-12-11" at 760,772 h25; LIB_UNEVALUATED "Creat : Sofer Tech" at 760,812 h25; LIB_UNEVALUATED "Ref PN: ***" at 760,852 h25; LIB_UNEVALUATED "Sofer Lib Information" at 730,902 h25; LIB_UNEVALUATED "Approved" at 764,568.33 h35; LIB_UNEVALUATED "DO-216AA" at 800,460 h30; LIB_UNEVALUATED "1" at 959.6,579.33 h16; LIB_UNEVALUATED "2" at 869.6,579.33 h16